# KiCad board poly_kb_molecule_5x4_wave.kicad_pcb (continued)
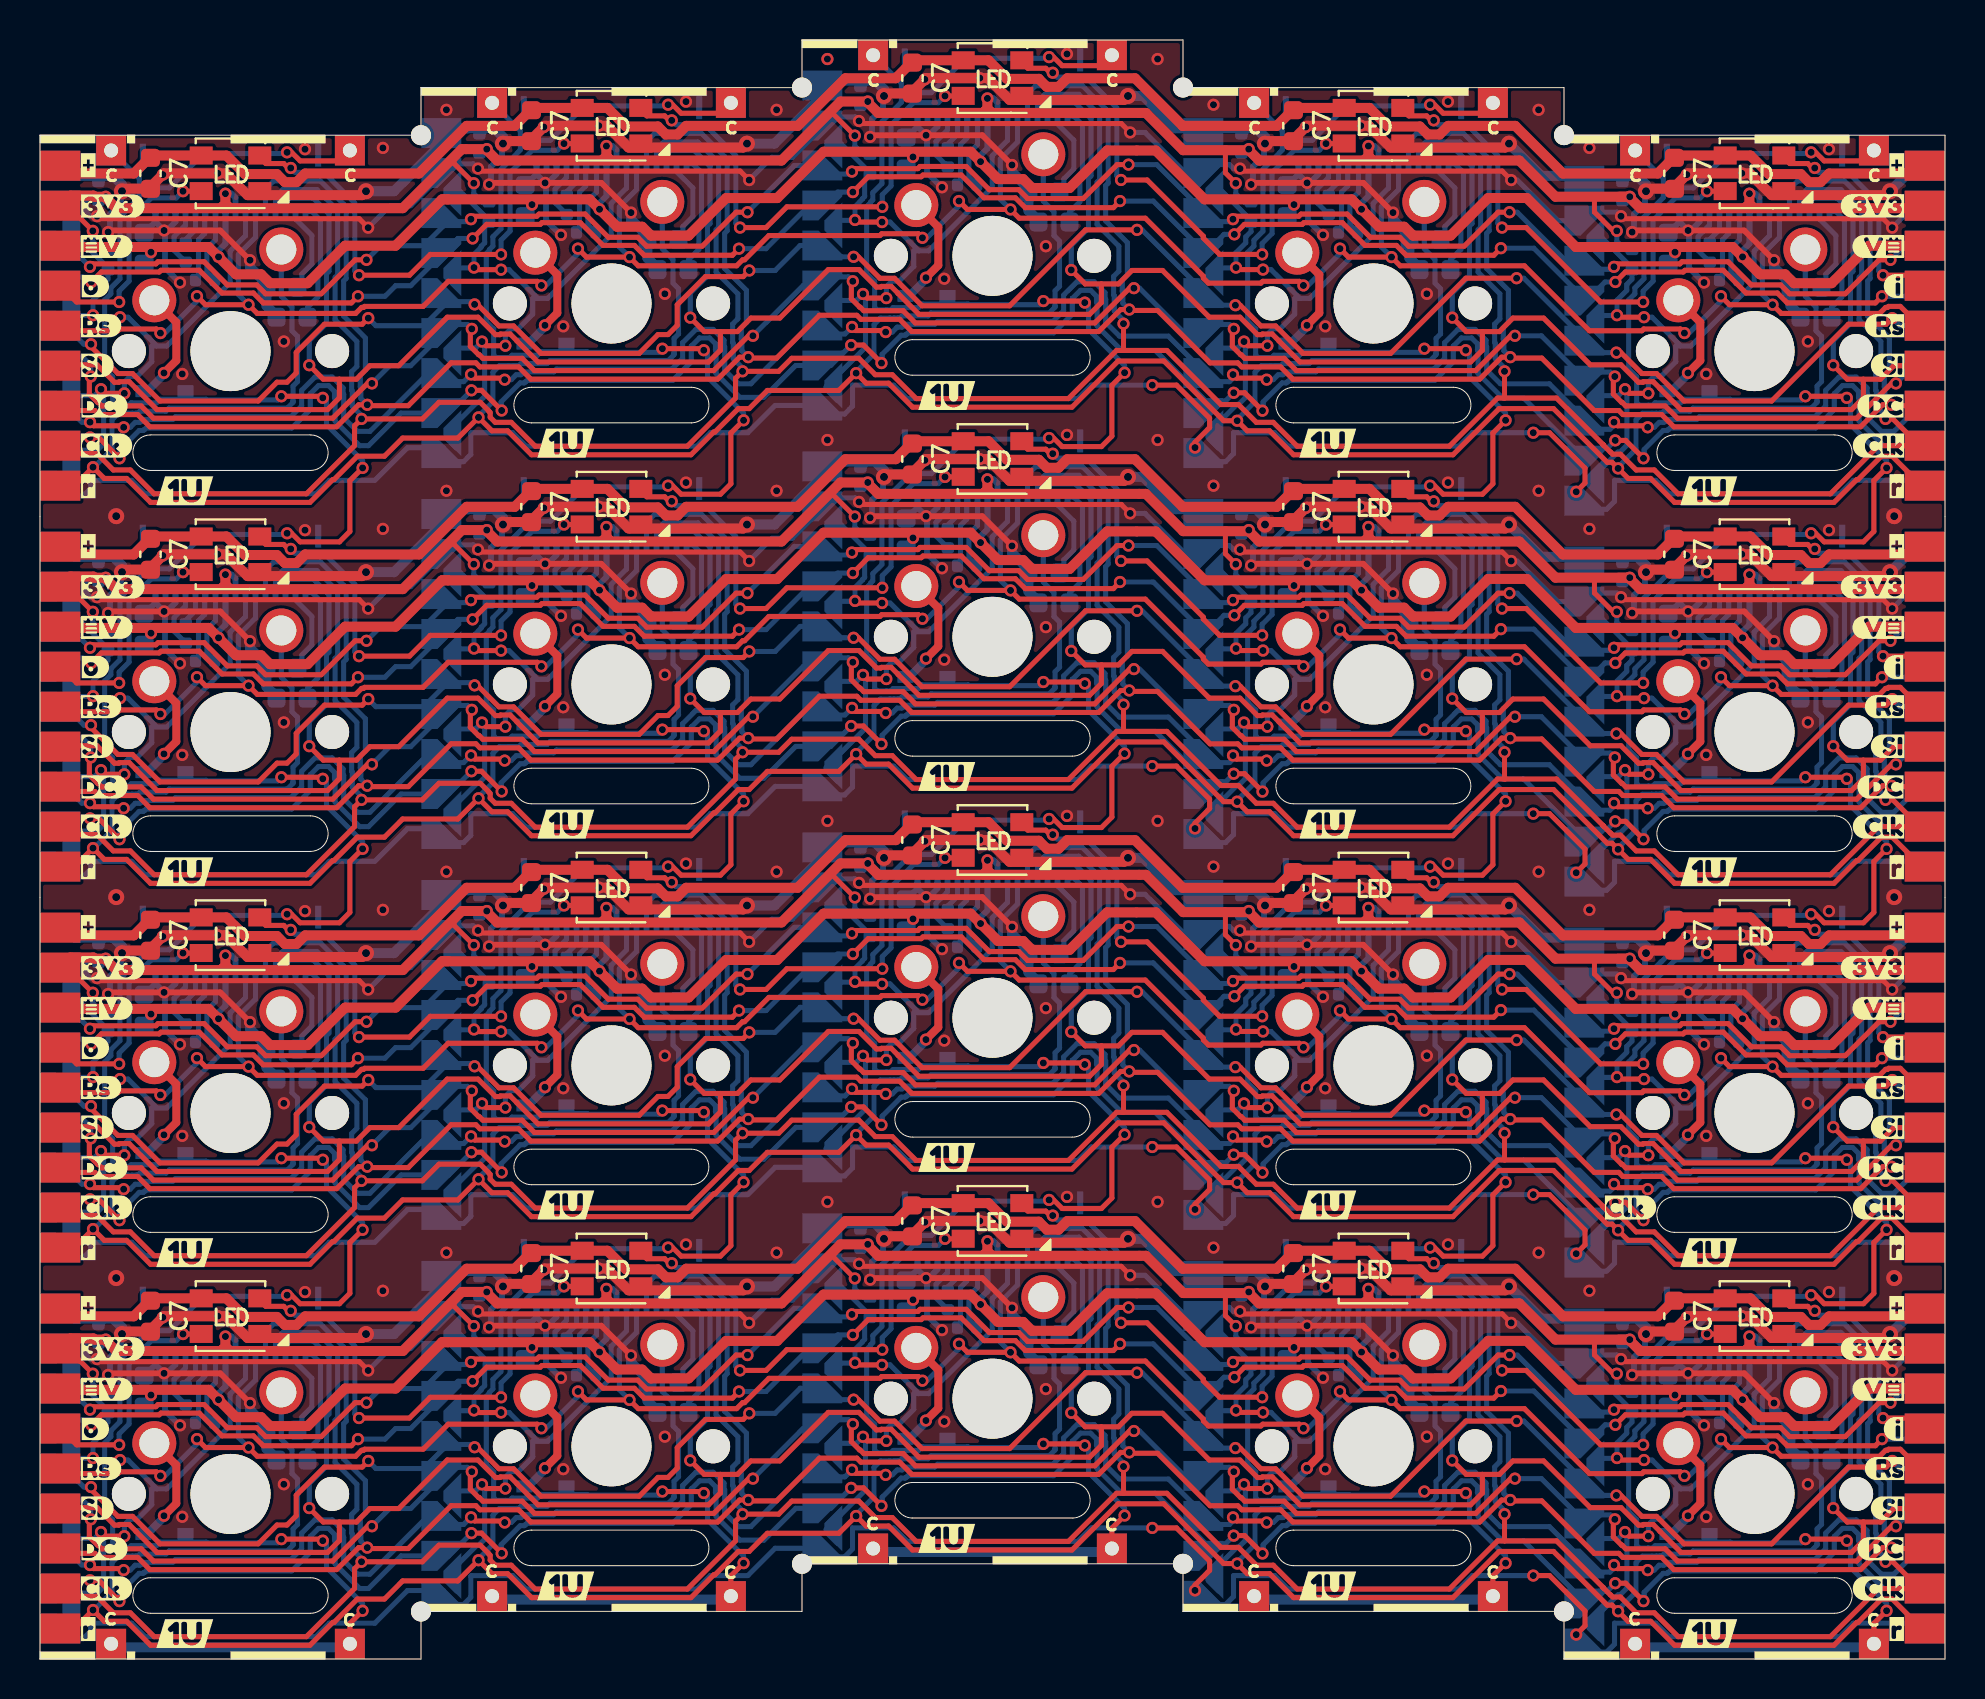
[diagram p0: board, top side]
## Routing (per net, layer and track width the routed paths; a pad name or vN(x,y) marks a point on that pad's centre or on a via; arc(x,y) is an arc through that point) (continued)
  Bottom w0.254: 93.98,32.58 93.23,32.58 v1(92.52,31.87) ; 39.31,55.64 37.71,55.64 35.37,53.3 ; 59.65,72 59.52,71.88 58.69,71.88 55.84,74.73 54.42,74.73 ; 40.6,36.28 40.47,36.16 39.64,36.16 39.22,36.59 ; v1(73.04,32.45) 74.69,32.45 77.32,29.83 78.25,30.76 v1(78.77,30.76) ; v1(59.72,33.14) 59.2,33.14 58.27,32.21 55.66,34.81 v1(54,34.81) ; v1(78.77,11.71) 78.25,11.71 77.32,10.78 74.69,13.4 v1(73.04,13.4) ; v1(34.95,70.53) 36.3,70.53 38.46,72.69 39.22,72.69 39.88,73.36 v1(40.64,73.36) ; 2,12.9 2.07,12.9 v1(2.5,12.47) ; 2,51 2.07,51 v1(2.5,50.57) ; v1(59.72,71.24) 59.2,71.24 58.27,70.31 55.66,72.91 v1(54,72.91) ; v1(73.04,51.5) 74.69,51.5 77.32,48.88 78.25,49.81 v1(78.77,49.81) ; 21.55,33.9 21.42,33.78 20.59,33.78 20.17,34.21 20.17,33.56 19.18,32.58 17.03,32.58 v1(16.32,31.87) ; v1(15.9,68.15) 17.25,68.15 17.78,68.67 18.53,68.67 20.9,71.04 v1(21.63,71.04) ; v1(92.1,68.15) 93.45,68.15 93.98,68.67 ; v1(2.57,30.76) 2.38,30.76 2.13,31 0.95,31 J5#9.4 ; v1(16.32,12.82) 17.03,13.53 19.18,13.53 20.17,14.51 20.17,15.16 20.59,14.73 21.42,14.73 21.55,14.85 ; v1(34.95,51.48) 36.3,51.48 38.46,53.64 39.22,53.64 39.88,54.31 v1(40.64,54.31) ; v1(34.95,13.38) 36.3,13.38 38.46,15.54 39.22,15.54 39.88,16.21 v1(40.64,16.21) ; J5#13.4 0.95,50.05 2.13,50.05 2.38,49.81 v1(2.57,49.81) ; 93.98,49.62 93.45,49.1 v1(92.1,49.1) ; 39.31,74.69 37.71,74.69 35.37,72.35 ; 54.42,55.68 55.84,55.68 58.69,52.83 59.52,52.83 59.65,52.95 ; v1(92.1,30.05) 93.45,30.05 93.98,30.58 ; v1(15.9,30.05) 17.25,30.05 17.78,30.58 18.53,30.58 20.9,32.94 v1(21.63,32.94) ; v1(15.9,11) 17.25,11 17.78,11.53 18.53,11.53 20.9,13.89 v1(21.63,13.89) ; 73.47,15.2 73.86,15.2 76.28,12.78 77.32,12.78 77.74,12.35 78.57,12.35 v1(78.7,12.47) ; v1(15.9,49.1) 17.25,49.1 17.78,49.62 18.53,49.62 20.9,51.99 v1(21.63,51.99) ; 93.98,13.53 93.23,13.53 v1(92.52,12.82) ; 40.6,55.33 40.47,55.21 39.64,55.21 39.22,55.64 ; 39.22,17.54 39.64,17.11 40.47,17.11 40.6,17.23 ; 39.31,36.59 37.71,36.59 35.37,34.25 ; 93.98,51.62 93.23,51.62 v1(92.52,50.92) ; v1(54,15.76) 55.66,15.76 58.27,13.16 59.2,14.09 v1(59.72,14.09) ; 35.37,15.2 37.71,17.54 39.31,17.54 ; v1(2.5,31.52) 2.07,31.95 2,31.95 ; v1(2.5,69.62) 2.07,70.05 2,70.05 ; v1(78.7,31.52) 78.57,31.4 77.74,31.4 77.32,31.83 76.28,31.83 73.86,34.25 73.47,34.25 ; v1(73.04,70.55) 74.69,70.55 77.32,67.92 78.25,68.86 v1(78.77,68.86) ; 93.98,11.53 93.45,11 v1(92.1,11) ; 59.65,33.9 59.52,33.78 58.69,33.78 55.84,36.63 54.42,36.63 ; v1(78.7,50.57) 78.57,50.45 77.74,50.45 77.32,50.88 76.28,50.88 73.86,53.3 73.47,53.3 ; 39.22,74.69 39.64,74.26 40.47,74.26 40.6,74.38 ; J5#17.4 0.95,11.95 2.13,11.95 2.38,11.71 v1(2.57,11.71) ; 73.47,72.35 73.86,72.35 76.28,69.92 77.32,69.92 77.74,69.5 78.57,69.5 v1(78.7,69.62) ; 21.55,72 21.42,71.88 20.59,71.88 20.17,72.31 20.17,71.66 19.18,70.67 17.03,70.67 v1(16.32,69.97) ; v1(34.95,32.43) 36.3,32.43 38.46,34.59 39.22,34.59 39.88,35.26 v1(40.64,35.26) ; v1(16.32,50.92) 17.03,51.62 19.18,51.62 20.17,52.61 20.17,53.26 20.59,52.83 21.42,52.83 21.55,52.95 ; 59.65,14.85 59.52,14.73 58.69,14.73 55.84,17.58 54.42,17.58 ; v1(2.57,68.86) 2.38,68.86 2.13,69.1 0.95,69.1 J5.4 ; 93.98,70.67 93.23,70.67 v1(92.52,69.97) ; v1(54,53.86) 55.66,53.86 58.27,51.26 59.2,52.19 v1(59.72,52.19)
  Bottom w0.3: 1.8,31.04 1.77,31.08 ; 1.8,50.09 1.77,50.12 ; 1.8,69.14 1.77,69.17 ; 1.8,11.99 1.77,12.03
CS4:
  vias: v1(21.73,67.74) v1(21.73,48.69) v1(21.73,29.64) v1(21.73,10.59) v1(35.46,69.44) v1(35.46,50.39) v1(35.46,31.34) v1(35.46,12.29) v1(40.68,70.12) v1(40.68,51.07) v1(40.68,32.02) v1(40.68,12.97) v1(54.85,71.47) v1(54.85,52.42) v1(54.85,33.37) v1(54.85,14.32) v1(59.77,67.7) v1(59.77,48.65) v1(59.77,29.6) v1(59.77,10.55) v1(73.83,69.05) v1(73.83,50) v1(73.83,30.95) v1(73.83,11.9)
CS5: length 896.5
  Top w0.254: v1(16.41,48) 16.11,47.7 14.22,47.7 12.81,46.29 12.81,45.26 12.35,44.8 11.85,44.8 10.91,43.86 6,43.86 4.63,45.23 3.89,45.23 2.55,46.58 v1(2.55,46.7) ; v1(73.75,28.07) 73.53,28.07 71.79,26.33 62.82,26.33 62.21,26.94 60.24,26.94 60.06,27.12 60.03,27.12 59.62,27.54 59.62,28.34 v1(59.69,28.42) ; 40.68,32.02 40.92,32.02 41.99,30.95 42.73,30.95 44.1,29.57 48.48,29.57 52.28,33.37 54.85,33.37 ; 21.73,67.74 21.87,67.74 22.94,66.66 23.68,66.66 25.05,65.29 29.96,65.29 30.9,66.23 31.4,66.23 31.86,66.69 31.86,67.72 33.27,69.13 35.16,69.13 35.46,69.44 ; v1(59.69,66.52) 59.62,66.44 59.62,65.64 60.03,65.22 60.06,65.22 60.24,65.04 62.21,65.04 62.82,64.43 71.79,64.43 73.53,66.17 v1(73.75,66.17) ; v1(92.61,48) 92.31,47.7 90.42,47.7 86.58,43.86 82.2,43.86 80.83,45.23 80.09,45.23 79.05,46.28 v1(78.82,46.28) ; v1(40.64,30.8) 40.57,30.72 40.57,29.92 40.98,29.5 41.01,29.5 41.19,29.32 43.16,29.32 43.77,28.71 52.74,28.71 54.48,30.45 v1(54.7,30.45) ; v1(2.54,64.13) 2.47,64.06 2.47,63.26 2.88,62.84 2.91,62.84 3.09,62.66 5.06,62.66 5.67,62.05 14.64,62.05 16.38,63.79 v1(16.6,63.79) ; v1(78.82,65.33) 79.05,65.33 80.09,64.28 80.83,64.28 82.2,62.91 86.58,62.91 90.42,66.75 92.31,66.75 v1(92.61,67.05) ; v1(2.55,27.65) 2.55,27.53 3.89,26.18 4.63,26.18 6,24.81 10.91,24.81 11.85,25.75 12.35,25.75 12.81,26.21 12.81,27.24 14.22,28.65 16.11,28.65 v1(16.41,28.95) ; v1(59.69,47.47) 59.62,47.39 59.62,46.59 60.03,46.17 60.06,46.17 60.24,45.99 62.21,45.99 62.82,45.38 71.79,45.38 73.53,47.12 v1(73.75,47.12) ; 40.68,70.12 40.92,70.12 41.99,69.05 42.73,69.05 44.1,67.67 48.48,67.67 52.28,71.47 54.85,71.47 ; 40.68,51.07 40.92,51.07 41.99,50 42.73,50 44.1,48.62 48.48,48.62 52.28,52.42 54.85,52.42 ; v1(16.6,44.74) 16.38,44.74 14.64,43 5.67,43 5.06,43.61 3.09,43.61 2.91,43.79 2.88,43.79 2.47,44.21 2.47,45.01 v1(2.54,45.09) ; 73.83,11.9 71.29,11.9 67.53,8.14 63.15,8.14 61.78,9.51 61.04,9.51 60.01,10.55 59.77,10.55 ; v1(92.8,44.74) 92.58,44.74 90.84,43 81.87,43 81.26,43.61 79.29,43.61 79.11,43.79 79.08,43.79 78.67,44.21 78.67,45.01 v1(78.74,45.09) ; v1(78.74,64.13) 78.67,64.06 78.67,63.26 79.08,62.84 79.11,62.84 79.29,62.66 81.26,62.66 81.87,62.05 90.84,62.05 92.58,63.79 v1(92.8,63.79) ; 54.85,14.32 52.28,14.32 48.48,10.52 44.1,10.52 42.73,11.9 41.99,11.9 40.92,12.97 40.68,12.97 ; v1(92.8,6.64) 92.58,6.64 90.84,4.9 81.87,4.9 81.26,5.51 79.29,5.51 79.11,5.69 79.08,5.69 78.67,6.11 78.67,6.91 v1(78.74,6.98) ; v1(78.82,27.23) 79.05,27.23 80.09,26.18 80.83,26.18 82.2,24.81 86.58,24.81 90.42,28.65 92.31,28.65 v1(92.61,28.95) ; v1(54.7,49.5) 54.48,49.5 52.74,47.76 43.77,47.76 43.16,48.37 41.19,48.37 41.01,48.55 40.98,48.55 40.57,48.97 40.57,49.77 v1(40.64,49.85) ; 59.77,48.65 60.01,48.65 61.04,47.61 61.78,47.61 63.15,46.24 67.53,46.24 71.29,50 73.83,50 ; v1(78.82,8.18) 79.05,8.18 80.09,7.13 80.83,7.13 82.2,5.76 86.58,5.76 90.42,9.6 92.31,9.6 v1(92.61,9.9) ; v1(40.64,68.9) 40.57,68.82 40.57,68.02 40.98,67.6 41.01,67.6 41.19,67.42 43.16,67.42 43.77,66.81 52.74,66.81 54.48,68.55 v1(54.7,68.55) ; v1(2.54,26.03) 2.47,25.96 2.47,25.16 2.88,24.74 2.91,24.74 3.09,24.56 5.06,24.56 5.67,23.95 14.64,23.95 16.38,25.69 v1(16.6,25.69) ; 21.73,10.59 21.87,10.59 22.94,9.51 23.68,9.51 25.05,8.14 29.96,8.14 30.9,9.08 31.4,9.08 31.86,9.54 31.86,10.57 33.27,11.98 35.16,11.98 35.46,12.29 ; v1(21.59,66.52) 21.52,66.44 21.52,65.64 21.93,65.22 21.96,65.22 22.14,65.04 24.11,65.04 24.72,64.43 33.69,64.43 35.43,66.17 v1(35.65,66.17) ; v1(16.6,6.64) 16.38,6.64 14.64,4.9 5.67,4.9 5.06,5.51 3.09,5.51 2.91,5.69 2.88,5.69 2.47,6.11 2.47,6.91 v1(2.54,6.98) ; 59.77,67.7 60.01,67.7 61.04,66.66 61.78,66.66 63.15,65.29 67.53,65.29 71.29,69.05 73.83,69.05 ; v1(2.55,8.6) 2.55,8.48 3.89,7.13 4.63,7.13 6,5.76 10.91,5.76 11.85,6.7 12.35,6.7 12.81,7.16 12.81,8.19 14.22,9.6 16.11,9.6 v1(16.41,9.9) ; v1(2.55,65.75) 2.55,65.63 3.89,64.28 4.63,64.28 6,62.91 10.91,62.91 11.85,63.85 12.35,63.85 12.81,64.31 12.81,65.34 14.22,66.75 16.11,66.75 v1(16.41,67.05) ; 73.83,30.95 71.29,30.95 67.53,27.19 63.15,27.19 61.78,28.56 61.04,28.56 60.01,29.6 59.77,29.6 ; v1(59.69,9.37) 59.62,9.29 59.62,8.49 60.03,8.07 60.06,8.07 60.24,7.89 62.21,7.89 62.82,7.28 71.79,7.28 73.53,9.02 v1(73.75,9.02) ; 35.46,50.39 35.16,50.08 33.27,50.08 31.86,48.67 31.86,47.64 31.4,47.18 30.9,47.18 29.96,46.24 25.05,46.24 23.68,47.61 22.94,47.61 21.87,48.69 21.73,48.69 ; v1(40.64,11.75) 40.57,11.67 40.57,10.87 40.98,10.45 41.01,10.45 41.19,10.27 43.16,10.27 43.77,9.66 52.74,9.66 54.48,11.4 v1(54.7,11.4) ; v1(35.65,28.07) 35.43,28.07 33.69,26.33 24.72,26.33 24.11,26.94 22.14,26.94 21.96,27.12 21.93,27.12 21.52,27.54 21.52,28.34 v1(21.59,28.42) ; v1(35.65,9.02) 35.43,9.02 33.69,7.28 24.72,7.28 24.11,7.89 22.14,7.89 21.96,8.07 21.93,8.07 21.52,8.49 21.52,9.29 v1(21.59,9.37) ; v1(92.8,25.69) 92.58,25.69 90.84,23.95 81.87,23.95 81.26,24.56 79.29,24.56 79.11,24.74 79.08,24.74 78.67,25.16 78.67,25.96 v1(78.74,26.03) ; 21.73,29.64 21.87,29.64 22.94,28.56 23.68,28.56 25.05,27.19 29.96,27.19 30.9,28.13 31.4,28.13 31.86,28.59 31.86,29.62 33.27,31.03 35.16,31.03 35.46,31.34 ; v1(21.59,47.47) 21.52,47.39 21.52,46.59 21.93,46.17 21.96,46.17 22.14,45.99 24.11,45.99 24.72,45.38 33.69,45.38 35.43,47.12 v1(35.65,47.12)
  Bottom w0.254: 21.73,48.69 21.59,48.83 20.59,48.83 20.17,49.26 20.17,48.61 19.18,47.62 16.79,47.62 v1(16.41,48) ; 54.85,52.42 55.1,52.42 58.87,48.65 59.77,48.65 ; v1(16.41,28.95) 16.79,28.58 19.18,28.58 20.17,29.56 20.17,30.21 20.59,29.78 21.59,29.78 21.73,29.64 ; v1(21.59,28.42) 21.37,28.64 20.59,28.64 18.53,26.58 17.48,26.58 v1(16.6,25.69) ; v1(21.59,9.37) 21.37,9.59 20.59,9.59 18.53,7.53 17.48,7.53 v1(16.6,6.64) ; 59.77,67.7 58.87,67.7 55.1,71.47 54.85,71.47 ; 93.98,66.67 92.99,66.67 v1(92.61,67.05) ; 59.77,10.55 58.87,10.55 55.1,14.32 54.85,14.32 ; v1(16.41,67.05) 16.79,66.67 19.18,66.67 20.17,67.66 20.17,68.31 20.59,67.88 21.59,67.88 21.73,67.74 ; v1(92.8,63.79) 93.68,64.67 93.98,64.67 ; 73.83,50 74.19,50 77.91,46.28 v1(78.82,46.28) ; v1(92.61,28.95) 92.99,28.58 93.98,28.58 ; J5#17.6 0.95,7.96 2.13,7.96 2.54,7.55 v1(2.54,6.98) ; 21.73,10.59 21.59,10.73 20.59,10.73 20.17,11.16 20.17,10.51 19.18,9.53 16.79,9.53 v1(16.41,9.9) ; 35.46,50.39 36.76,50.39 38.01,51.64 39.22,51.64 39.78,51.07 40.68,51.07 ; 1.27,66.67 2.2,65.75 v1(2.55,65.75) ; v1(21.59,47.47) 21.37,47.69 20.59,47.69 18.53,45.62 17.48,45.62 v1(16.6,44.74) ; v1(35.65,66.17) 38.16,68.69 39.22,68.69 39.64,69.12 40.42,69.12 v1(40.64,68.9) ; v1(21.59,66.52) 21.37,66.74 20.59,66.74 18.53,64.67 17.48,64.67 v1(16.6,63.79) ; v1(78.74,6.98) 78.52,7.2 77.74,7.2 77.32,6.78 75.07,9.02 v1(73.75,9.02) ; v1(92.61,9.9) 92.99,9.53 93.98,9.53 ; 73.83,30.95 74.19,30.95 77.91,27.23 v1(78.82,27.23) ; v1(78.82,8.18) 77.91,8.18 74.19,11.9 73.83,11.9 ; v1(92.8,44.74) 93.68,45.62 93.98,45.62 ; v1(40.64,49.85) 40.42,50.07 39.64,50.07 39.22,49.64 38.16,49.64 v1(35.65,47.12) ; 40.68,32.02 39.78,32.02 39.22,32.59 38.01,32.59 36.76,31.34 35.46,31.34 ; 93.98,7.53 93.68,7.53 v1(92.8,6.64) ; v1(59.69,47.47) 59.47,47.69 58.69,47.69 58.22,47.21 57.27,47.21 54.98,49.5 v1(54.7,49.5) ; v1(59.69,66.52) 59.47,66.74 58.69,66.74 58.22,66.26 57.27,66.26 54.98,68.55 v1(54.7,68.55) ; v1(78.74,45.09) 78.52,45.3 77.74,45.3 77.32,44.88 75.07,47.12 v1(73.75,47.12) ; 93.98,26.58 93.68,26.58 v1(92.8,25.69) ; v1(73.75,28.07) 75.07,28.07 77.32,25.83 77.74,26.25 78.52,26.25 v1(78.74,26.03) ; 1.27,47.62 2.2,46.7 v1(2.55,46.7) ; v1(54.7,11.4) 54.98,11.4 57.27,9.11 58.22,9.11 58.69,9.59 59.47,9.59 v1(59.69,9.37) ; v1(2.54,45.09) 2.54,45.65 2.13,46.06 0.95,46.06 J5#13.6 ; J5#9.6 0.95,27.01 2.13,27.01 2.54,26.6 v1(2.54,26.03) ; v1(2.55,27.65) 2.2,27.65 1.27,28.58 ; 59.77,29.6 58.87,29.6 55.1,33.37 54.85,33.37 ; 93.98,47.62 92.99,47.62 v1(92.61,48) ; 73.83,69.05 74.19,69.05 77.91,65.33 v1(78.82,65.33) ; 35.46,12.29 36.76,12.29 38.01,13.54 39.22,13.54 39.78,12.97 40.68,12.97 ; v1(40.64,11.75) 40.42,11.97 39.64,11.97 39.22,11.54 38.16,11.54 v1(35.65,9.02) ; v1(40.64,30.8) 40.42,31.02 39.64,31.02 39.22,30.59 38.16,30.59 v1(35.65,28.07) ; 35.46,69.44 36.76,69.44 38.01,70.69 39.22,70.69 39.78,70.12 40.68,70.12 ; v1(78.74,64.13) 78.52,64.35 77.74,64.35 77.32,63.92 75.07,66.17 v1(73.75,66.17) ; J5.6 0.95,65.11 2.13,65.11 2.54,64.7 v1(2.54,64.13) ; v1(2.55,8.6) 2.2,8.6 1.27,9.53 ; v1(59.69,28.42) 59.47,28.64 58.69,28.64 58.22,28.16 57.27,28.16 54.98,30.45 v1(54.7,30.45)
CS6: length 722.8
  Top w0.254: v1(78.7,61.85) 78.88,61.67 80.31,61.67 v1(80.38,61.59) ; 42.07,45.76 41.17,46.66 40.56,46.66 ; 21.57,44.39 22.07,44.39 23.08,43.38 ; v1(42.28,47.31) 42.21,47.38 40.78,47.38 v1(40.6,47.56) ; v1(2.5,42.04) 2.93,42.04 v1(3.97,40.99) ; 61.12,43.38 60.23,44.27 59.69,44.27 ; v1(21.55,26.14) 21.73,25.95 23.16,25.95 v1(23.23,25.88) ; v1(2.5,23.75) 2.68,23.57 4.11,23.57 v1(4.18,23.5) ; v1(23.23,63.98) 23.16,64.05 21.73,64.05 v1(21.55,64.24) ; v1(80.38,42.55) 80.31,42.62 78.88,42.62 v1(78.7,42.8) ; v1(78.7,23.75) 78.88,23.57 80.31,23.57 v1(80.38,23.5) ; v1(59.65,64.23) 59.83,64.05 61.26,64.05 v1(61.33,63.98) ; v1(59.65,26.13) 59.83,25.95 61.26,25.95 v1(61.33,25.88) ; v1(42.28,28.26) 42.21,28.33 40.78,28.33 v1(40.6,28.51) ; v1(4.18,61.59) 4.11,61.67 2.68,61.67 v1(2.5,61.85) ; v1(42.28,66.36) 42.21,66.43 40.78,66.43 v1(40.6,66.61) ; v1(61.33,44.93) 61.26,45 59.83,45 v1(59.65,45.18) ; 59.69,25.22 60.23,25.22 61.12,24.33 ; 61.12,62.43 60.23,63.32 59.69,63.32 ; v1(21.55,45.19) 21.73,45 23.16,45 v1(23.23,44.93) ; 40.56,65.71 41.17,65.71 42.07,64.81 ; 21.57,25.34 22.07,25.34 23.08,24.33 ; v1(2.5,42.8) 2.68,42.62 4.11,42.62 v1(4.18,42.55) ; v1(2.5,22.99) 2.93,22.99 v1(3.97,21.94) ; v1(80.17,40.99) 79.28,41.89 v1(78.76,41.89) ; 42.07,26.71 41.17,27.61 40.56,27.61 ; 21.57,63.44 22.07,63.44 23.08,62.43 ; v1(3.97,60.04) 2.93,61.09 v1(2.5,61.09) ; v1(80.17,60.04) 79.28,60.94 v1(78.76,60.94) ; v1(78.76,22.84) 79.28,22.84 v1(80.17,21.94)
  Bottom w0.254: v1(23.23,44.93) 23.56,44.93 23.81,45.17 24.05,45.17 24.1,45.22 24.11,45.22 24.21,45.32 25.68,45.32 25.83,45.46 31.6,45.46 32.13,45.99 32.13,46.78 32.8,47.44 33.66,47.44 34.2,46.9 34.2,46.6 34.23,46.57 34.23,45.41 34.92,44.72 35.54,44.72 38.46,47.64 39.22,47.64 39.64,47.21 40.25,47.21 v1(40.6,47.56) ; v1(40.6,66.61) 40.25,66.26 39.64,66.26 39.22,66.69 38.46,66.69 35.54,63.77 34.92,63.77 34.23,64.46 34.23,65.62 34.2,65.65 34.2,65.95 33.66,66.49 32.8,66.49 32.13,65.83 32.13,65.04 31.6,64.51 25.83,64.51 25.68,64.37 24.21,64.37 24.11,64.27 24.1,64.27 24.05,64.22 23.81,64.22 23.56,63.98 v1(23.23,63.98) ; 59.63,63.49 59.69,63.43 59.69,63.32 59.28,62.91 58.87,62.91 58.27,62.31 58.27,62.93 55.76,65.44 54.08,65.44 52.86,66.66 52.86,67.82 52.82,67.85 52.82,68.15 52.53,68.44 52.03,68.44 51.63,68.05 51.63,68.05 51.63,68.04 51.63,68.04 51.61,68.02 51.61,67.25 50.68,66.32 43.4,66.32 43.33,66.25 43.31,66.25 43.26,66.2 43.06,66.2 42.11,65.24 42.11,65.09 42.07,65.06 42.07,64.81 ; 59.63,25.39 59.69,25.33 59.69,25.22 59.28,24.81 58.87,24.81 58.27,24.21 58.27,24.83 55.76,27.34 54.08,27.34 52.86,28.56 52.86,29.72 52.82,29.75 52.82,30.05 52.53,30.34 52.03,30.34 51.63,29.95 51.63,29.95 51.63,29.94 51.63,29.94 51.61,29.92 51.61,29.15 50.68,28.22 43.4,28.22 43.33,28.15 43.31,28.15 43.26,28.1 43.06,28.1 42.11,27.14 42.11,26.99 42.07,26.96 42.07,26.71 ; 40.55,27.77 40.56,27.75 40.56,27.61 39.54,26.59 37.79,26.59 36.2,24.99 34.99,24.99 33.81,26.18 33.81,27.34 33.77,27.37 33.77,27.67 33.48,27.96 32.98,27.96 32.58,27.57 32.58,27.57 32.58,27.56 32.58,27.55 32.56,27.54 32.56,26.77 31.63,25.84 24.35,25.84 24.28,25.77 24.26,25.77 24.21,25.72 24.01,25.72 23.06,24.76 23.06,24.61 23.08,24.58 23.08,24.33 ; v1(59.65,26.13) 59.65,25.95 59.48,25.78 58.69,25.78 56.42,28.05 53.97,28.05 53.28,28.74 53.28,29.9 53.25,29.93 53.25,30.23 52.71,30.77 51.85,30.77 51.18,30.11 51.18,29.32 50.65,28.79 44.88,28.79 44.73,28.65 43.26,28.65 43.16,28.55 43.15,28.55 43.1,28.5 42.86,28.5 42.61,28.26 v1(42.28,28.26) ; v1(59.65,45.18) 59.65,45 59.48,44.83 58.69,44.83 56.42,47.1 53.97,47.1 53.28,47.79 53.28,48.95 53.25,48.98 53.25,49.28 52.71,49.82 51.85,49.82 51.18,49.16 51.18,48.37 50.65,47.84 44.88,47.84 44.73,47.7 43.26,47.7 43.16,47.6 43.15,47.6 43.1,47.55 42.86,47.55 42.61,47.31 v1(42.28,47.31) ; 21.57,44.39 20.43,43.26 18.06,43.26 16.43,41.62 15.98,41.62 14.76,42.85 14.76,44.01 14.72,44.04 14.72,44.34 14.43,44.63 13.93,44.63 13.53,44.24 13.53,44.23 13.53,44.23 13.53,44.22 13.51,44.21 13.51,43.43 12.58,42.5 5.3,42.5 5.23,42.43 5.21,42.43 5.16,42.39 4.96,42.39 4.01,41.43 4.01,41.28 3.97,41.25 v1(3.97,40.99) ; 61.12,43.38 61.12,43.63 61.16,43.66 61.16,43.81 62.11,44.77 62.31,44.77 62.36,44.82 62.38,44.82 62.45,44.89 69.73,44.89 70.66,45.82 70.66,46.59 70.68,46.6 70.68,46.61 70.68,46.62 70.68,46.62 71.08,47.01 71.58,47.01 71.87,46.72 71.87,46.42 71.91,46.39 71.91,45.23 73.13,44.01 74.18,44.01 77.32,40.88 77.92,41.48 78.35,41.48 v1(78.76,41.89) 78.76,41.98 78.68,42.06 ; 23.08,62.43 23.08,62.68 23.06,62.71 23.06,62.86 24.01,63.82 24.21,63.82 24.26,63.87 24.28,63.87 24.35,63.94 31.63,63.94 32.56,64.87 32.56,65.64 32.58,65.65 32.58,65.66 32.58,65.67 32.58,65.67 32.98,66.06 33.48,66.06 33.77,65.77 33.77,65.47 33.81,65.44 33.81,64.28 34.99,63.09 36.2,63.09 37.79,64.69 39.54,64.69 40.56,65.71 40.56,65.85 40.55,65.87 ; 21.57,63.44 20.43,62.31 18.06,62.31 16.43,60.67 15.98,60.67 14.76,61.9 14.76,63.06 14.72,63.09 14.72,63.39 14.43,63.68 13.93,63.68 13.53,63.29 13.53,63.28 13.53,63.28 13.53,63.27 13.51,63.26 13.51,62.48 12.58,61.55 5.3,61.55 5.23,61.48 5.21,61.48 5.16,61.44 4.96,61.44 4.01,60.48 4.01,60.33 3.97,60.3 v1(3.97,60.04) ; v1(80.38,23.5) 80.71,23.5 80.96,23.74 81.2,23.74 81.25,23.79 81.26,23.79 81.36,23.88 82.83,23.88 82.98,24.03 88.75,24.03 89.28,24.56 89.28,25.34 89.95,26.01 90.81,26.01 91.35,25.47 91.35,25.17 91.38,25.14 91.38,23.98 92.07,23.29 92.69,23.29 93.98,24.58 ; 94.23,22.58 92.18,22.58 90.96,23.8 90.96,24.96 90.92,24.99 90.92,25.29 90.63,25.58 90.13,25.58 89.73,25.19 89.73,25.18 89.73,25.18 89.73,25.17 89.71,25.16 89.71,24.38 88.78,23.45 81.5,23.45 81.43,23.38 81.41,23.38 81.36,23.34 81.16,23.34 80.21,22.38 80.21,22.23 80.17,22.2 v1(80.17,21.94) ; v1(80.17,60.04) 80.17,60.3 80.21,60.33 80.21,60.48 81.16,61.44 81.36,61.44 81.41,61.48 81.43,61.48 81.5,61.55 88.78,61.55 89.71,62.48 89.71,63.26 89.73,63.27 89.73,63.28 89.73,63.28 89.73,63.29 90.13,63.68 90.63,63.68 90.92,63.39 90.92,63.09 90.96,63.06 90.96,61.9 92.18,60.67 94.23,60.67 ; v1(80.17,40.99) 80.17,41.25 80.21,41.28 80.21,41.43 81.16,42.39 81.36,42.39 81.41,42.43 81.43,42.43 81.5,42.5 88.78,42.5 89.71,43.43 89.71,44.21 89.73,44.22 89.73,44.23 89.73,44.23 89.73,44.24 90.13,44.63 90.63,44.63 90.92,44.34 90.92,44.04 90.96,44.01 90.96,42.85 92.18,41.62 94.23,41.62 ; 61.12,62.43 61.12,62.68 61.16,62.71 61.16,62.86 62.11,63.82 62.31,63.82 62.36,63.87 62.38,63.87 62.45,63.94 69.73,63.94 70.66,64.87 70.66,65.64 70.68,65.65 70.68,65.66 70.68,65.67 70.68,65.67 71.08,66.06 71.58,66.06 71.87,65.77 71.87,65.47 71.91,65.44 71.91,64.28 73.13,63.06 74.18,63.06 77.32,59.92 77.92,60.53 78.35,60.53 v1(78.76,60.94) 78.76,61.03 78.68,61.11 ; v1(2.5,23.75) 2.1,23.75 1.27,24.58 ; v1(4.18,23.5) 4.51,23.5 4.76,23.74 5,23.74 5.05,23.79 5.06,23.79 5.16,23.88 6.63,23.88 6.78,24.03 12.55,24.03 13.08,24.56 13.08,25.34 13.75,26.01 14.61,26.01 15.15,25.47 15.15,25.17 15.18,25.14 15.18,23.98 15.87,23.29 16.49,23.29 19.41,26.21 20.17,26.21 20.59,25.78 21.18,25.78 21.54,26.14 v1(21.55,26.14) ; v1(42.28,66.36) 42.61,66.36 42.86,66.6 43.1,66.6 43.15,66.65 43.16,66.65 43.26,66.75 44.73,66.75 44.88,66.89 50.65,66.89 51.18,67.42 51.18,68.21 51.85,68.87 52.71,68.87 53.25,68.33 53.25,68.03 53.28,68 53.28,66.84 53.97,66.15 56.42,66.15 58.69,63.88 59.48,63.88 59.65,64.05 v1(59.65,64.23) ; 0.52,41.62 0.95,42.06 2.48,42.06 v1(2.5,42.04) ; v1(80.38,61.59) 80.71,61.59 80.96,61.84 81.2,61.84 81.25,61.89 81.26,61.89 81.36,61.98 82.83,61.98 82.98,62.13 88.75,62.13 89.28,62.66 89.28,63.44 89.95,64.11 90.81,64.11 91.35,63.57 91.35,63.27 91.38,63.24 91.38,62.08 92.07,61.39 92.69,61.39 93.98,62.67 ; 0.52,60.67 0.95,61.11 2.48,61.11 v1(2.5,61.09) ; v1(2.5,61.85) 2.1,61.85 1.27,62.67 ; v1(78.7,42.8) 78.7,42.65 78.5,42.45 77.74,42.45 75.47,44.72 73.02,44.72 72.33,45.41 72.33,46.57 72.3,46.6 72.3,46.9 71.76,47.44 70.9,47.44 70.23,46.78 70.23,45.99 69.7,45.46 63.93,45.46 63.78,45.32 62.31,45.32 62.21,45.22 62.2,45.22 62.15,45.17 61.91,45.17 61.66,44.93 v1(61.33,44.93) ; v1(23.23,25.88) 23.56,25.88 23.81,26.12 24.05,26.12 24.1,26.17 24.11,26.17 24.21,26.27 25.68,26.27 25.83,26.41 31.6,26.41 32.13,26.94 32.13,27.73 32.8,28.39 33.66,28.39 34.2,27.85 34.2,27.55 34.23,27.52 34.23,26.36 34.92,25.67 35.54,25.67 38.46,28.59 39.22,28.59 39.64,28.16 40.25,28.16 v1(40.6,28.51) ; v1(21.55,45.19) 21.54,45.19 21.18,44.83 20.59,44.83 20.17,45.26 19.41,45.26 16.49,42.34 15.87,42.34 15.18,43.03 15.18,44.19 15.15,44.22 15.15,44.52 14.61,45.06 13.75,45.06 13.08,44.39 13.08,43.61 12.55,43.08 6.78,43.08 6.63,42.93 5.16,42.93 5.06,42.84 5.05,42.84 5,42.79 4.76,42.79 4.51,42.55 v1(4.18,42.55) ; 40.55,46.82 40.56,46.8 40.56,46.66 39.54,45.64 37.79,45.64 36.2,44.04 34.99,44.04 33.81,45.23 33.81,46.39 33.77,46.42 33.77,46.72 33.48,47.01 32.98,47.01 32.58,46.62 32.58,46.62 32.58,46.61 32.58,46.6 32.56,46.59 32.56,45.82 31.63,44.89 24.35,44.89 24.28,44.82 24.26,44.82 24.21,44.77 24.01,44.77 23.06,43.81 23.06,43.66 23.08,43.63 23.08,43.38 ; v1(61.33,63.98) 61.66,63.98 61.91,64.22 62.15,64.22 62.2,64.27 62.21,64.27 62.31,64.37 63.78,64.37 63.93,64.51 69.7,64.51 70.23,65.04 70.23,65.83 70.9,66.49 71.76,66.49 72.3,65.95 72.3,65.65 72.33,65.62 72.33,64.46 73.02,63.77 75.47,63.77 77.74,61.5 78.5,61.5 78.7,61.7 v1(78.7,61.85) ; 21.57,25.34 20.43,24.21 18.06,24.21 16.43,22.58 15.98,22.58 14.76,23.8 14.76,24.96 14.72,24.99 14.72,25.29 14.43,25.58 13.93,25.58 13.53,25.19 13.53,25.18 13.53,25.18 13.53,25.17 13.51,25.16 13.51,24.38 12.58,23.45 5.3,23.45 5.23,23.38 5.21,23.38 5.16,23.34 4.96,23.34 4.01,22.38 4.01,22.23 3.97,22.2 v1(3.97,21.94) ; v1(78.7,23.75) 78.7,23.6 78.5,23.4 77.74,23.4 75.47,25.67 73.02,25.67 72.33,26.36 72.33,27.52 72.3,27.55 72.3,27.85 71.76,28.39 70.9,28.39 70.23,27.73 70.23,26.94 69.7,26.41 63.93,26.41 63.78,26.27 62.31,26.27 62.21,26.17 62.2,26.17 62.15,26.12 61.91,26.12 61.66,25.88 v1(61.33,25.88) ; 59.63,44.44 59.69,44.38 59.69,44.27 59.28,43.86 58.87,43.86 58.27,43.26 58.27,43.88 55.76,46.39 54.08,46.39 52.86,47.61 52.86,48.77 52.82,48.8 52.82,49.1 52.53,49.39 52.03,49.39 51.63,49 51.63,49 51.63,48.99 51.63,48.99 51.61,48.97 51.61,48.2 50.68,47.27 43.4,47.27 43.33,47.2 43.31,47.2 43.26,47.15 43.06,47.15 42.11,46.19 42.11,46.04 42.07,46.01 42.07,45.76 ; 1.27,43.62 2.1,42.8 v1(2.5,42.8) ; 78.68,23.01 78.76,22.93 v1(78.76,22.84) 78.35,22.43 77.92,22.43 77.32,21.83 74.18,24.96 73.13,24.96 71.91,26.18 71.91,27.34 71.87,27.37 71.87,27.67 71.58,27.96 71.08,27.96 70.68,27.57 70.68,27.57 70.68,27.56 70.68,27.55 70.66,27.54 70.66,26.77 69.73,25.84 62.45,25.84 62.38,25.77 62.36,25.77 62.31,25.72 62.11,25.72 61.16,24.76 61.16,24.61 61.12,24.58 61.12,24.33 ; v1(4.18,61.59) 4.51,61.59 4.76,61.84 5,61.84 5.05,61.89 5.06,61.89 5.16,61.98 6.63,61.98 6.78,62.13 12.55,62.13 13.08,62.66 13.08,63.44 13.75,64.11 14.61,64.11 15.15,63.57 15.15,63.27 15.18,63.24 15.18,62.08 15.87,61.39 16.49,61.39 19.41,64.31 20.17,64.31 20.59,63.88 21.18,63.88 21.54,64.24 v1(21.55,64.24) ; 0.52,22.58 0.95,23.01 2.48,23.01 v1(2.5,22.99) ; 93.98,43.62 92.69,42.34 92.07,42.34 91.38,43.03 91.38,44.19 91.35,44.22 91.35,44.52 90.81,45.06 89.95,45.06 89.28,44.39 89.28,43.61 88.75,43.08 82.98,43.08 82.83,42.93 81.36,42.93 81.26,42.84 81.25,42.84 81.2,42.79 80.96,42.79 80.71,42.55 v1(80.38,42.55)
  vias: v1(21.55,7.09) v1(23.23,6.83) v1(40.6,9.46) v1(42.28,9.21) v1(59.65,7.08) v1(61.33,6.83)
